# Altium PCB Proyecto_0 - V2.PcbDoc (part 6 of 6)
Units mil, origin at the board's own origin, x right, y up, seen from the top; angles counter-clockwise.
Board outline 2559.06 x 1771.65 mil, 10 copper layers (TOP, GND[1], VDD[1], Signal[1], GND[2], VDD[2], Signal[2], GND[3], VDD[3], BOT), stack 79.883 mil thick; 188 components, 257 nets, 1108 pads, 915 vias.
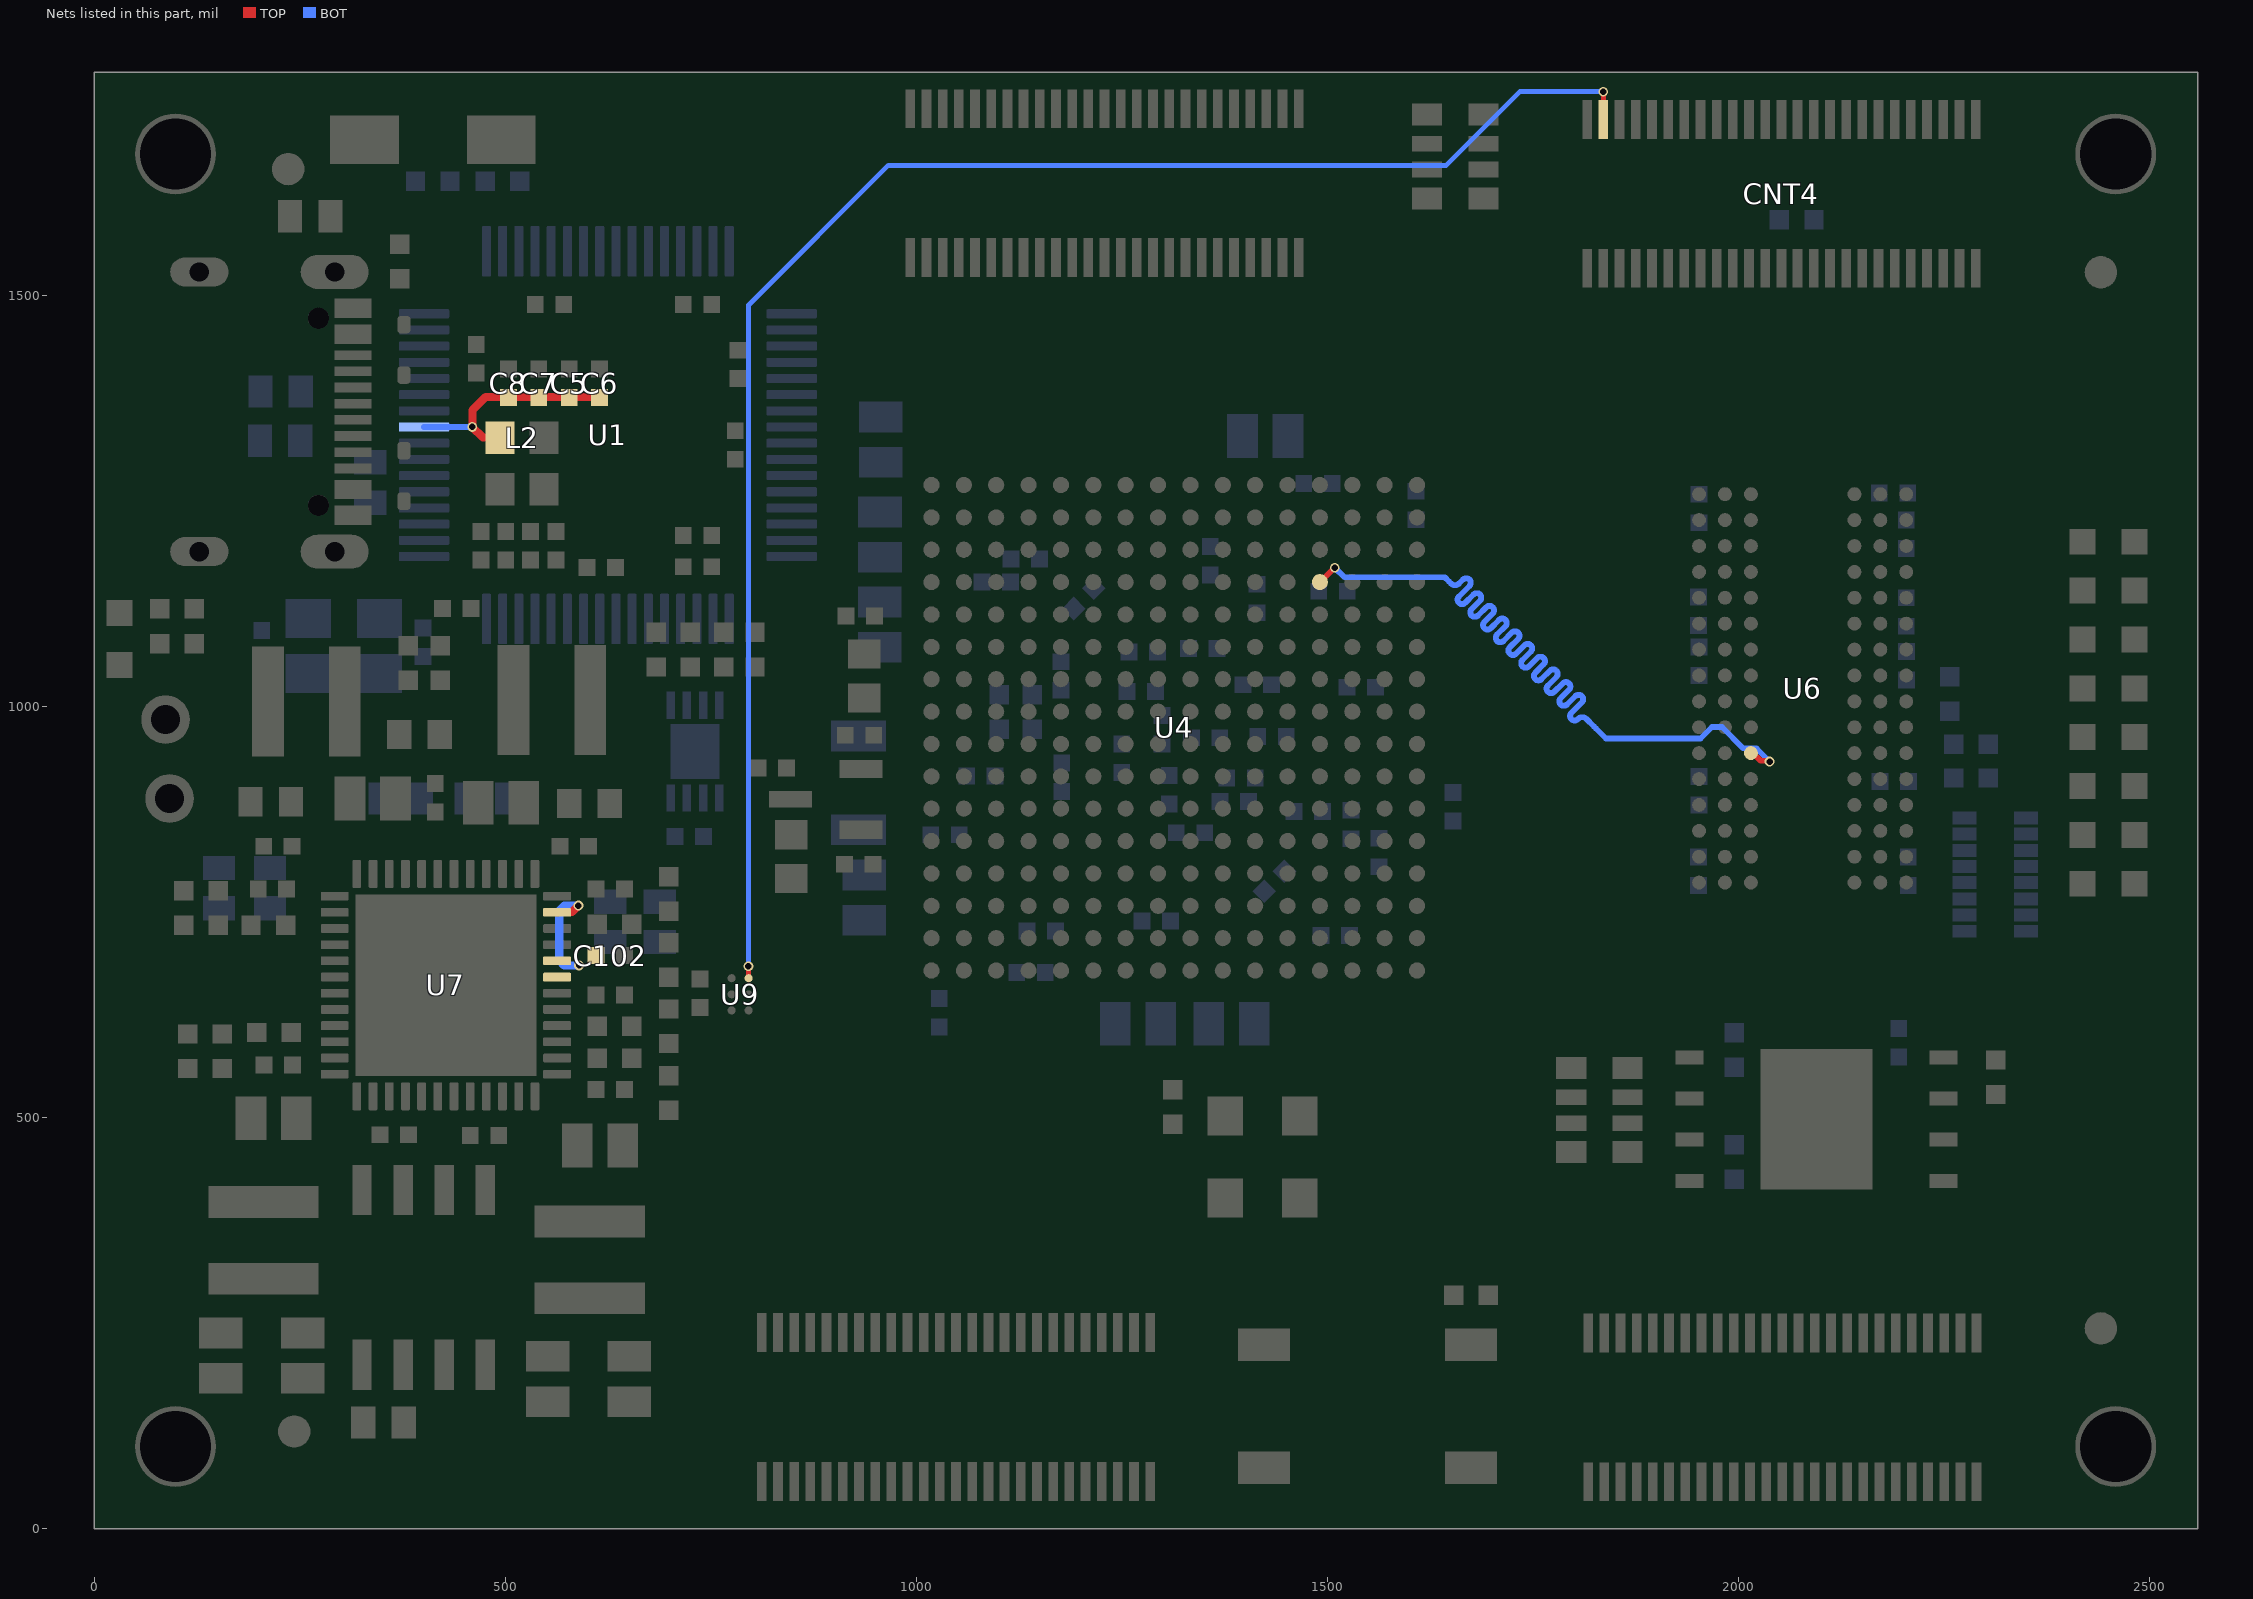
[diagram p14: the nets of this part, all layers, seen from the top]

## Via types
v1: diameter 11.81, hole 7.87, TOP to BOT, 915 vias

## Nets (pads, with @x,y where several pads share a name; then routed paths per layer and width w, separated by ;. In a path a pad name is that pad's centre, name@x,y a point inside that pad or via, vN(x,y) a via of type N, cw(c..) or ccw(c..) an arc to the next point about the centre after c; other vN are vias at no path point) (continued)
VPLL: C5.2 C6.2 C7.2 C8.2 L2.2 U1.9 | length 267.8
  TOP w10: L2.2@494,1327 473,1327 v1(460,1340) 460.35,1340.35 460.35,1360.35 476.35,1376.35 529,1376.35 541,1376.35 566,1376.35 578,1376.35 603,1376.35
  BOT w7: U1.9@401.38,1339.84 459.84,1339.84 v1(460,1340)
VREG: C102.2 U7.43 U7.44 U7.47 | length 142.4
  TOP w10: U7.47@563.24,749.58 563.55,749.9 581.23,749.9 v1(589.19,757.85)
  BOT w10: v1(589.19,757.85) 588.84,757.51 571.86,757.51 566,751.65 566,690.86 571.86,685 v1(590,685)
VSelect: CNT4.27 U9.B3 | length 1995.9
  TOP w6: v1(796,684) 796.11,683.89 796.11,669.56 U9.B3@796.23,669.45 ; CNT4.27@1835.83,1717.87 v1(1835.82,1747.72)
  BOT w6: v1(796,684) 796,1488 966.09,1658.09 1644.51,1658.09 1734.14,1747.72 v1(1835.82,1747.72)
W\E\: U4.D13 U6.L3 | length 1112.4
  TOP w7: U4.D13@1491.05,1151.23 1491.44,1151.23 1508.82,1168.6 v1(1509.21,1168.6) ; U6.L3@2015.22,943.19 2017.9,943.19 2027.18,933.92 2037.08,933.92 v1(2038,933)
  BOT w7: v1(1509.21,1168.6) 1520.81,1157 1643,1157 1648,1152 1650.47,1149.53 ccw(c1655.42,1154.47) 1660.37,1149.52 1665.19,1154.34 cw(c1669.06,1150.48) 1672.93,1154.34 cw(c1669.06,1150.48) 1672.93,1146.61 1660.11,1133.79 ccw(c1663.98,1129.93) 1660.11,1126.06 ccw(c1663.98,1129.93) 1667.84,1126.06 1678,1136.22 cw(c1681.87,1132.35) 1685.74,1136.22 cw(c1681.87,1132.35) 1685.74,1128.49 1675.58,1118.33 ccw(c1679.44,1114.46) 1675.58,1110.59 ccw(c1679.44,1114.46) 1683.31,1110.59 1693.47,1120.75 cw(c1697.34,1116.88) 1701.2,1120.75 cw(c1697.34,1116.88) 1701.2,1113.02 1691.04,1102.86 ccw(c1694.91,1098.99) 1691.04,1095.12 ccw(c1694.91,1098.99) 1698.78,1095.12 1708.96,1105.3 cw(c1712.82,1101.43) 1716.69,1105.3 cw(c1712.82,1101.44) 1716.69,1097.57 1706.51,1087.39 ccw(c1710.38,1083.52) 1706.51,1079.66 ccw(c1710.38,1083.52) 1714.25,1079.66 1724.45,1089.86 cw(c1728.31,1085.99) 1732.18,1089.86 cw(c1728.31,1085.99) 1732.18,1082.13 1721.98,1071.92 ccw(c1725.85,1068.06) 1721.98,1064.19 ccw(c1725.85,1068.06) 1729.71,1064.19 1739.94,1074.41 cw(c1743.8,1070.55) 1747.67,1074.41 cw(c1743.8,1070.55) 1747.67,1066.68 1737.45,1056.46 ccw(c1741.31,1052.59) 1737.45,1048.72 ccw(c1741.31,1052.59) 1745.18,1048.72 1755.42,1058.97 cw(c1759.29,1055.1) 1763.16,1058.97 cw(c1759.29,1055.1) 1763.16,1051.23 1752.91,1040.99 ccw(c1756.78,1037.12) 1752.91,1033.26 ccw(c1756.78,1037.12) 1760.65,1033.26 1770.91,1043.52 cw(c1774.78,1039.65) 1778.65,1043.52 cw(c1774.78,1039.65) 1778.65,1035.79 1768.38,1025.52 ccw(c1772.25,1021.66) 1768.38,1017.79 ccw(c1772.25,1021.66) 1776.11,1017.79 1786.4,1028.07 cw(c1790.26,1024.2) 1794.13,1028.07 cw(c1790.26,1024.2) 1794.13,1020.34 1783.85,1010.06 ccw(c1787.72,1006.19) 1783.85,1002.32 ccw(c1787.72,1006.19) 1791.58,1002.32 1801.88,1012.62 cw(c1805.75,1008.75) 1809.61,1012.62 cw(c1805.75,1008.75) 1809.61,1004.89 1796.94,992.21 ccw(c1800.81,988.34) 1796.94,984.48 ccw(c1800.81,988.34) 1804.67,984.48 1805.15,984.95 cw(c1810.1,980) 1815.05,984.95 1824.35,975.65 1826.82,973.18 1839,961 1954,961 1968,975 1980,975 2006,949 2022,949 v1(2038,933)
pads on no net: CNT1. CNT1.A8 CNT1.B8 R19.4 R19.5 U1.16 U1.18 U1.19 U1.21 U1.22 U1.23 U1.24 U1.26 U1.27 U1.30 U1.32 U1.36 U1.38 U1.39 U1.40 U1.41 U1.43 U1.44 U1.48 U1.52 U1.53 U1.54 U1.55 U1.57 U1.58 U1.59 U1.60 U2.7 U4.A6 U4.B3 U4.B11 U4.D7 U6.J1 U6.J9 U6.L1 U6.L9 U6.M7 U7.20
copper on no net: | length 8759.8
  TOP w3.94: 0,0 2559.06,0 2559.06,44 2559.06,1771.65 157.48,1771.65 118.11,1771.65 0,1771.65 0,1692.91 0,1614.17 0,0
  TOP w6: 2540,1 2540,99.43

## Polygon pours and split planes (outlines as drawn)
NetR37_1 on TOP "NETR37_1_L01_P127" (solid, pour order 127): 686,763 686,700 740,700 740,763
+5V on TOP "+5V_L01_P126" (solid, pour order 126): 486,777 486,855 486,909 448,909 448,856 470,856 470,777
VPLL on TOP "VPLL_L01_P125" (solid, pour order 125): 515,1305 515,1360 630,1360 630,1390 480,1390 455,1365 455,1335 470,1320 470,1305
VPHY on TOP "VPHY_L01_P124" (solid, pour order 124): 575,1225 575,1200 435,1200 435,1246 436,1246 480,1290 515,1290 515,1225
+3V3 on TOP "+3V3_L01_P123" (solid, pour order 123): 2060,1507 2044,1507 2044,1573 1955,1573 1955,1615 2060,1615
+1V25_VREF_ADC on TOP "+1V25_VREF_ADC_L01_P122" (solid, pour order 122): 2084,1740 2084,1625 2143.8,1625 2143.8,1660 2100,1660 2100,1740
AGND on TOP "AGND_L01_P121" (solid, pour order 121): 2080,1740 2080,1625 2020,1625 2020,1660 2064,1660 2064,1740
+5V on TOP "+5V_L01_P120" (solid, pour order 120): 540,1725 540,1655 420,1655 420,1725
+1V25_VREF_ADC on TOP "TOP-+1V25_VREF_ADC" (solid, pour order 106): 910,895 965,895 965,940 870,940 870,960 830,960 830,909 910,909
+3V3 on TOP "TOP-+3V3 1" (solid, pour order 97): 1307,347 1497,347 1497,455 1347,455 1347,513 1290,513 1290,455 1307,455
+3V3 on TOP "+3V3_L01_P102" (solid, pour order 102): 1790,1718 1808,1718 1808,1687 1824,1687 1824,1740 1790,1740
DONE on TOP "DONE_L01_P101" (solid, pour order 101): 140,1058 105,1058 105,1137 155,1137 155,1100 140,1100
GND on TOP "GND_L01_P095" (solid, pour order 95): 1427,473 1495,473 1495,533 1427,533
+1V8 on TOP "+1V8_L01_P094" (solid, pour order 94): 2004.3,1673 2004.3,1740.08 2041.3,1740.08 2041.3,1673
RESET on TOP "TOP-+3V3" (solid, pour order 93): 1376,195 1735,195 1735,308 1675,308 1675,261 1376,261
+3V3 on TOP "+3V3_L01_P100" (solid, pour order 100): 1670,305 1670,266 1605,266 1605,305
BVUS on TOP "TOP-BVUS" (solid, pour order 65): 289,1467 283.24,1461.24 cw(c273,1471.49) 273,1457 cw(c273,1471.49) 262.76,1461.24 257,1467 235,1467 235,1567 257,1567 257,1622 175,1622 175,1251 258,1251 262.76,1255.76 cw(c273,1245.52) 273,1260 cw(c273,1245.52) 283.24,1255.76 288,1251 340,1251 340,1277 260,1277 260,1439 340,1439 340,1467
GND on TOP "GND_L01_P091" (solid, pour order 91): 340,1470 340,1551 245,1551 245,1491 290,1491 290,1470
GND on TOP "GND_L01_P090" (solid, pour order 90): 340,1246 340,1165 245,1165 245,1225 290,1225 290,1246
BVUS_PROTECTED on TOP "TOP-BVUS_PROTECTED" (solid, pour order 89): 400,1655 400,1725 270,1725 270,1570 330,1570 330,1655
VREG on TOP "TOP-VREG" (solid, pour order 13): 585,678 601,678 601,685 630,685 630,712 599,712 599,700 545,700 545,662 585,662
+3V3 on TOP "+3V3_L01_P081" (solid, pour order 81): 720,649 754,649 754,640 785,640 785,610 720,610
AGND on TOP "TOP-AGND" (solid, pour order 58): 880,793 925,793 925,825 889,825 889,900 820,900 820,942 791,942 791,875 816,875 816,821 880,821
+3V3 on TOP "+3V3_L01_P055" (solid, pour order 55): 901,870 901,830 927,830 927,793 966,793 966,870
NetC85_2 on TOP "TOP-NetC85_2" (solid, pour order 26): 410,346 685,346 685,423 504,423 504,544 470,544 470,505 479,505 479,444 411,444 410,445
NetC89_2 on TOP "TOP-NetC89_2" (solid, pour order 24): 110,375 392,375 392,450 366,450 366,543 333,543 333,450 110,450
+5V on TOP "TOP-+5V" (solid, pour order 2): 218.56,468 280.56,468 280.56,498.69 280.87,499 327,499 327,543 311,543 311,580 274,580 274,543 218.56,543
+1V8' on TOP "+1V8'_L01_P080" (solid, pour order 80): 403,1050 438,1050 438,942 403,942
GND on TOP "GND_L01_P079" (solid, pour order 79): 876,815 876,765 805,765 805,815
GND on TOP "GND_L01_P075" (solid, pour order 75): 1373,131 1373,33 1723,33 1723,131
+3V3 on TOP "+3V3_L01_P059" (solid, pour order 59): 2339,595 2230,595 2230,555 2339,555
QSPI_DATA3 on TOP "QSPI_DATA3_L01_P060" (solid, pour order 60): 2339,545.79 2230,545.79 2230,505.79 2339,505.79
GND on TOP "TOP-GND 1" (solid, pour order 40): 633,593 680,593 680,618 718,618 718,655 750,655 750,684 713,684 682,684 682,712 633,712
+1V8_VCC_ADC on TOP "+1V8_VCC_ADC_L01_P050" (solid, pour order 50): 961,952 961,1030 895,1030 895,990 937,990 937,952
+1V8' on TOP "+1V8'_L01_P049" (solid, pour order 49): 961,1121 961,1044 895,1044 895,1083 936,1083 936,1121
+1V8 on TOP "+1V8_L01_P045" (solid, pour order 45): 583.29,1076 583.29,939 610,939 610,863 666,863 666,1076
+1V35 on TOP "+1V35_L01_P038" (solid, pour order 38): 235,1080 235,937 206,937 206,865 144,865 144,1080
GND on TOP "GND_L01_P036" (solid, pour order 36): 621,498 668,498 668,487 716,487 716,434 621,434
GND on TOP "GND_L01_P033" (solid, pour order 33): 690,175 690,125 407,125 407,235 450,235 450,160 509,160 509,175
GND on TOP "TOP-GND" (solid, pour order 31): 285,156.21 285,108 345.02,108 345.02,158 345,158 345,235 310,235 310,206 287,206 121,206 121,156.21
+5V on TOP "+5V_L01_P020" (solid, pour order 20): 510,544 510,500 510,435 610,435 610,499 546,499 545,500 545,544
NetR4_1 on TOP "NETR4_1_L01_P047" (solid, pour order 47): 753,1060 817,1060 817,1035 753,1035
+3V3 on TOP "+3V3_L01_P037" (solid, pour order 37): 681,525 735,525 735,492 681,492
+3V3 on TOP "+3V3_L01_P032" (solid, pour order 32): 684,188 519,188 519,302 684,302
+1V on TOP "+1V_L01_P021" (solid, pour order 21): 286,215 121,215 121,329 286,329
GND on TOP "GND_L01_P003" (solid, pour order 3): 325,700 325,641 270,641 270,699 270,700
+3V3 on BOT "+3V3_L10_P103" (solid, pour order 103): 2067.36,1609.82 1960,1609.82 1960,1573 2067.36,1573
GND on BOT "GND_L10_P116" (solid, pour order 116): 319,1000 370,1000 400,1000 401,1001 401,1045 415,1045 415,1075 319,1075
GND on BOT "GND_L10_P115" (solid, pour order 115): 191,1136.93 290,1136.93 290,1076.93 191,1076.93
no net on BOT "NONET_L10_P114" (solid, pour order 114): 191,1070 290,1070 290,1010 191,1010
12MHz_XTAL_P on BOT "12MHZ_XTAL_P_L10_P113" (solid, pour order 113): 191,1070 290,1070 290,1010 191,1010
+3V3 on BOT "+3V3_L10_P107" (solid, pour order 107): 1003,1055 989,1055 989,1050 925,1050 925,1095 989,1095 989,1072 1003,1072
GND on BOT "GND_L10_P086" (solid, pour order 86): 1420,1361 1420,1297 1358,1297 1358,1344 1375,1361
GND on BOT "GND_L10_P111" (solid, pour order 111): 985,1317.56 928,1317.56 928,1215 985,1215 985,1273.56
+1V on BOT "+1V_L10_P112" (solid, pour order 112): 985,1331.56 928,1331.56 928,1387.56 948,1387.56 948,1375.56 985,1375.56
+1V8 on BOT "+1V8_L10_P109" (solid, pour order 109): 928,1161 989,1161 989,1185 1003,1185 1003,1201 928,1201
GND on BOT "GND_L10_P108" (solid, pour order 108): 910,1127 929,1127 929,1106 984,1106 984,1148 910,1148
GND on BOT "GND_L10_P099" (solid, pour order 99): 1379,570 1345,570 1345,585 1330,585 1330,645 1379,645
GND on BOT "GND_L10_P098" (solid, pour order 98): 1275,645 1275,570 1310,570 1310,581 1321,581 1321,645
GND on BOT "GND_L10_P077" (solid, pour order 77): 904,702.41 937,702.41 937,718 970.44,718 970.44,760 904,760
+1V35 on BOT "+1V35_L10_P087" (solid, pour order 87): 1429.5,1300 1476.5,1300 1476.5,1335.5 1506,1335.5 1506,1360 1429.5,1360
GND on BOT "GND_L10_P085" (solid, pour order 85): 2285,931 2285,880 2320,880 2320,931
+1V35 on BOT "+1V35_L10_P084" (solid, pour order 84): 2285,985 2320,985 2320,935 2285,935
0V75 on BOT "0V75_L10_P083" (solid, pour order 83): 2244,972 2280,972 2280,895 2244,895
+1V on BOT "+1V_L10_P082" (solid, pour order 82): 650,731 650,693 635,693 635,670 600,670 600,730 599,731
+3V3/+1V8 on BOT "+3V3/+1V8_L10_P078" (solid, pour order 78): 904,818 985,818 985,769.5 904,769.5
NetR8_1 on BOT "NETR8_1_L10_P068" (solid, pour order 68): 415,1655 495,1655 495,1620 415,1620
+3V3 on BOT "+3V3_L10_P062" (solid, pour order 62): 2018,396 2018,439 1967,439 1967,396
+3V3 on BOT "+3V3_L10_P061" (solid, pour order 61): 1972,631.5 1972,588.5 2026,588.5 2026,631.5
BVUS_PROTECTED on BOT "BVUS_PROTECTED_L10_P067" (solid, pour order 67): 407,1621 370,1621 370,1721 407,1721
GND on BOT "GND_L10_P056" (solid, pour order 56): 890,825 890,890 970,890 970,825
Enable_CH4 on BOT "ENABLE_CH4_L10_P046" (solid, pour order 46): 131,770 235,770 235,739 131,739
Enable_CH3 on BOT "ENABLE_CH3_L10_P043" (solid, pour order 43): 607,778 709,778 709,747 607,747
Enable_CH1y5 on BOT "ENABLE_CH1Y5_L10_P042" (solid, pour order 42): 380,910 473,910 473,865 380,865
GND on BOT "GND_L10_P041" (solid, pour order 41): 486,913 565,913 565,850 535,850 535,866 486,866
+5V on VDD[2] (split plane): 2538.96,20.1 20.1,20.1 20.1,1614.17 20.1,1751.56 2538.96,1751.56
+1V25_VREF_ADC on VDD[2] (split plane): 2144.94,875.06 1298,875.06 1296.83,874.83 1295.84,874.16 1295.17,873.17 1294.94,872 1294.94,754.06 827.06,754.06 827.06,923.94 1027.94,923.94 1027.94,873.06 898.06,873.06 898.06,905 897.83,906.17 897.16,907.16 896.17,907.83 895,908.06 860,908.06 858.83,907.83 857.84,907.16 857.17,906.17 856.94,905 856.94,790 857.17,788.83 857.84,787.84 858.83,787.17 860,786.94 1264,786.94 1265.17,787.17 1266.16,787.84 1266.83,788.83 1267.06,790 1267.06,951.94 2079,951.94 2080.17,952.17 2081.16,952.84 2081.83,953.83 2082.06,955 2082.06,1650 2082.06,1663 2082.06,1692.94 2144.94,1692.94
AGND on VDD[2] (split plane): 2075.94,1650 2075.94,958.06 1264,958.06 1262.83,957.83 1261.84,957.16 1261.17,956.17 1260.94,955 1260.94,793.06 863.06,793.06 863.06,901.94 891.94,901.94 891.94,870 892.17,868.83 892.84,867.84 893.83,867.17 895,866.94 1215,866.94 1216.17,867.17 1217.16,867.84 1217.83,868.83 1218.06,870 1218.06,1061.94 2010,1061.94 2011.17,1062.17 2012.16,1062.84 2012.83,1063.83 2013.06,1065 2013.06,1659.94 2075.94,1659.94
GND on GND[2] (split plane): 2538.96,20.1 20.1,20.1 20.1,1614.17 20.1,1751.56 2538.96,1751.56
GND on GND[1] (split plane): 2538.96,20.1 20.1,20.1 20.1,1614.17 20.1,1751.56 2538.96,1751.56
+3V3 on VDD[1] (split plane): 2538.96,20.1 20.1,20.1 20.1,1614.17 20.1,1751.56 2538.96,1751.56
+1V8' on VDD[1] (split plane): 921.94,1049.06 821,1049.06 819.83,1048.83 818.84,1048.16 818.17,1047.17 817.94,1046 817.94,981.06 400.06,981.06 400.06,1035.94 777,1035.94 778.17,1036.17 779.16,1036.84 779.83,1037.83 780.06,1039 780.06,1084.94 796.73,1084.94 804.84,1076.84 805.83,1076.17 807,1075.94 879,1075.94 880.17,1076.17 881.16,1076.84 889.27,1084.94 921.94,1084.94
+3V3/+1V8 on VDD[1] (split plane): 1131.94,721 1131.94,609.06 793.06,609.06 793.06,649.73 974.27,830.94 1032,830.94 1033.17,831.17 1034.16,831.84 1066.27,863.94 1131.94,863.94
VCORE on VDD[1] (split plane): 491.94,1220 492.17,1218.83 492.84,1217.84 493.83,1217.17 495,1216.94 736,1216.94 737.17,1217.17 738.16,1217.84 738.83,1218.83 739.06,1220 739.06,1245 739.06,1413.94 819.94,1413.94 819.94,1325.06 793,1325.06 791.83,1324.83 790.84,1324.16 790.17,1323.17 789.94,1322 789.94,1288 790.17,1286.83 790.84,1285.84 791.83,1285.17 793,1284.94 818.94,1284.94 818.94,1172.06 585,1172.06 583.83,1171.83 582.84,1171.16 582.17,1170.17 581.94,1169 581.94,1126.06 406.06,1126.06 406.06,1432.94 491.94,1432.94
+1V8_VCC_ADC on VDD[1] (split plane): 1314.94,981.06 824.06,981.06 824.06,1042.94 1017,1042.94 1018.17,1043.17 1019.16,1043.84 1019.83,1044.83 1020.06,1046 1020.06,1084.94 1314.94,1084.94
GND on GND[3] (split plane): 2538.96,20.1 20.1,20.1 20.1,1614.17 20.1,1751.56 2538.96,1751.56
+1V35 on VDD[3] (split plane): 2538.96,20.1 20.1,20.1 20.1,207.94 348,207.94 349.17,208.17 350.16,208.84 350.83,209.83 351.06,211 351.06,496.94 1017,496.94 1018.17,497.17 1019.16,497.84 1019.83,498.83 1020.06,500 1020.06,830.94 1455,830.94 1456.17,831.17 1457.16,831.84 1457.83,832.83 1458.06,834 1458.06,939 1458.06,948.94 1485,948.94 1486.17,949.17 1487.16,949.84 1487.83,950.83 1488.06,952 1488.06,1150.94 1901,1150.94 1902.17,1151.17 1903.16,1151.84 1903.83,1152.83 1904.06,1154 1904.06,1635.94 2027,1635.94 2028.17,1636.17 2029.16,1636.84 2029.83,1637.83 2030.06,1639 2030.06,1658 2030.06,1700 2029.83,1701.17 2029.16,1702.16 2028.17,1702.83 2027,1703.06 1826,1703.06 1824.83,1702.83 1823.84,1702.16 1823.17,1701.17 1822.94,1700 1822.94,1194.06 1354.06,1194.06 1354.06,1434 1353.83,1435.17 1353.16,1436.16 1352.17,1436.83 1351,1437.06 869,1437.06 867.83,1436.83 866.84,1436.16 866.17,1435.17 865.94,1434 865.94,1121.06 610,1121.06 608.83,1120.83 607.84,1120.16 607.17,1119.17 606.94,1118 606.94,858.06 20.1,858.06 20.1,1614.17 20.1,1751.56 2538.96,1751.56
+1V on VDD[3] (split plane): 969.94,1153 970.17,1151.83 970.84,1150.84 971.83,1150.17 973,1149.94 1442.94,1149.94 1442.94,1075.06 1371,1075.06 1369.83,1074.83 1368.84,1074.16 1368.17,1073.17 1367.94,1072 1367.94,1030 1368.17,1028.83 1368.84,1027.84 1369.83,1027.17 1371,1026.94 1442.94,1026.94 1442.94,974.06 1368,974.06 1366.83,973.83 1365.84,973.16 1365.17,972.17 1364.94,971 1364.94,837.06 1017,837.06 1015.83,836.83 1014.84,836.16 1014.17,835.17 1013.94,834 1013.94,503.06 348,503.06 346.83,502.83 345.84,502.16 345.17,501.17 344.94,500 344.94,214.06 20.1,214.06 20.1,618.94 566,618.94 567.17,619.17 568.16,619.84 568.83,620.83 569.06,622 569.06,710.94 690.94,710.94 690.94,624 691.04,623.5 690.94,623 691.17,621.83 691.84,620.84 692.83,620.17 694,619.94 916,619.94 917.17,620.17 918.16,620.84 918.83,621.83 919.06,623 919.06,1404.94 969.94,1404.94
+1V8 on VDD[3] (split plane): 2023.94,1658 2023.94,1655 2023.94,1642.06 1901,1642.06 1899.83,1641.83 1898.84,1641.16 1898.17,1640.17 1897.94,1639 1897.94,1157.06 1485,1157.06 1483.83,1156.83 1482.84,1156.16 1482.17,1155.17 1481.94,1154 1481.94,955.06 1455,955.06 1453.83,954.83 1452.84,954.16 1452.17,953.17 1451.94,952 1452.04,951.5 1451.94,951 1451.94,939 1451.94,837.06 1371.06,837.06 1371.06,967.94 1446,967.94 1447.17,968.17 1448.16,968.84 1448.83,969.83 1449.06,971 1449.06,1030 1448.83,1031.17 1448.16,1032.16 1447.17,1032.83 1446,1033.06 1445.5,1032.96 1445,1033.06 1374.06,1033.06 1374.06,1068.94 1446,1068.94 1447.17,1069.17 1448.16,1069.84 1448.83,1070.83 1449.06,1072 1449.06,1153 1448.83,1154.17 1448.16,1155.16 1447.17,1155.83 1446,1156.06 976.06,1156.06 976.06,1408 975.83,1409.17 975.16,1410.16 974.17,1410.83 973,1411.06 916,1411.06 914.83,1410.83 913.84,1410.16 913.17,1409.17 912.94,1408 912.94,626.06 697.06,626.06 697.06,714 696.83,715.17 696.16,716.16 695.17,716.83 694,717.06 566,717.06 564.83,716.83 563.84,716.16 563.17,715.17 562.94,714 562.94,625.06 20.1,625.06 20.1,851.94 610,851.94 611.17,852.17 612.16,852.84 612.83,853.83 613.06,855 613.06,1114.94 869,1114.94 870.17,1115.17 871.16,1115.84 871.83,1116.83 872.06,1118 872.06,1430.94 1347.94,1430.94 1347.94,1191 1348.17,1189.83 1348.84,1188.84 1349.83,1188.17 1351,1187.94 1826,1187.94 1827.17,1188.17 1828.16,1188.84 1828.83,1189.83 1829.06,1191 1829.06,1696.94 2023.94,1696.94

## Other copper
TOP:
  rectangle net GND: 148,470.66 212.17,527.66
  rectangle net GND: 223.61,856.66 313.61,913.66
  rectangle net GND: 503,854 593,911
VDD[2] (plane layer: these items are gaps in the copper):
  lines w6: 1031,870 1031,927 824,927 824,751 1298,751 1298,872 2148,872 2148,1696 2079,1696 2079,1663 ; 2079,1663 2079,1650 2079,955 1264,955 1264,790 1027,790 860,790 860,905 895,905 895,870 1215,870 1215,1065 2010,1065 2010,1663 2079,1663
VDD[1] (plane layer: these items are gaps in the copper):
  lines w2: 884,1045 922,1045 ; 925,1088 925,1089
  lines w6: 820,978 1318,978 1318,1088 1017,1088 1017,1046 821,1046 821,978 397,978 397,1039 777,1039 777,1088 798,1088 807,1079 879,1079 888,1088 925,1088 925,1046 ; 403,1123 403,1436 495,1436 495,1220 736,1220 736,1245 736,1417 823,1417 823,1322 793,1322 793,1288 822,1288 822,1169 585,1169 585,1123 403,1123 ; 790,606 790,651 973,834 1032,834 1065,867 1097,867 1135,867 1135,721 1135,606 790,606
VDD[3] (plane layer: these items are gaps in the copper):
  lines w6: 1,211 106,211 348,211 348,500 1017,500 1017,834 1368,834 ; 2,622 566,622 566,714 694,714 694,624 ; 2,855 610,855 610,1118 869,1118 869,1434 1351,1434 1351,1191 1826,1191 1826,1700 2027,1700 2027,1655 ; 694,623 916,623 916,1408 973,1408 973,1153 1446,1153 1446,1072 1371,1072 1371,1030 1445,1030 ; 1446,1030 1446,971 1368,971 1368,834 ; 1455,951 1455,939 1455,834 1368,834 ; 1455,952 1485,952 1485,1154 1901,1154 1901,1639 2027,1639 2027,1658

## Silkscreen, mask and mechanical layers (free items; w line width, h text height)
Top Overlay:
  lines w6: 2525,1235 2526,320
Mechanical 13:
  drawing of 743 lines, arcs and shapes, not listed
  text "Layer" at 3768.67,3117 h31.5
  text "Name" at 3993.35,3117 h31.5
  text "Material" at 4490.9,3117 h31.5
  text "Thickness" at 4951.73,3117 h31.5
  text "Constant" at 5302.35,3117 h31.5
  text "Board Layer Stack" at 5610.99,3117 h31.5
  text "Top Overlay" at 3993.35,3054.01 h31.5
  text "Top Solder" at 3993.35,2991.02 h31.5
  text "Solder Resist" at 4490.9,2991.02 h31.5
  text "0,40mil" at 4951.73,2991.02 h31.5
  text "3.5" at 5302.35,2991.02 h31.5
  text "1" at 3768.67,2928.02 h31.5
  text "TOP" at 3993.35,2928.02 h31.5
  text "0,69mil" at 4951.73,2928.02 h31.5
  text "Dielectric 2" at 3993.35,2865.03 h31.5
  text "PP-015" at 4490.9,2865.03 h31.5
  text "4,06mil" at 4951.73,2865.03 h31.5
  text "4.45" at 5302.35,2865.03 h31.5
  text "2" at 3768.67,2802.04 h31.5
  text "GND[1]" at 3993.35,2802.04 h31.5
  text "1,38mil" at 4951.73,2802.04 h31.5
  text "Dielectric 3" at 3993.35,2739.05 h31.5
  text "PP-006" at 4490.9,2739.05 h31.5
  text "9,06mil" at 4951.73,2739.05 h31.5
  text "4.6" at 5302.35,2739.05 h31.5
  text "3" at 3768.67,2676.06 h31.5
  text "VDD[1]" at 3993.35,2676.06 h31.5
  text "1,38mil" at 4951.73,2676.06 h31.5
  text "Dielectric 4" at 3993.35,2613.06 h31.5
  text "PP-023" at 4490.9,2613.06 h31.5
  text "7,72mil" at 4951.73,2613.06 h31.5
  text "4.74" at 5302.35,2613.06 h31.5
  text "4" at 3768.67,2550.07 h31.5
  text "Signal[1]" at 3993.35,2550.07 h31.5
  text "1,38mil" at 4951.73,2550.07 h31.5
  text "Dielectric 5" at 3993.35,2487.08 h31.5
  text "PP-006" at 4490.9,2487.08 h31.5
  text "9,06mil" at 4951.73,2487.08 h31.5
  text "4.6" at 5302.35,2487.08 h31.5
  text "5" at 3768.67,2424.09 h31.5
  text "GND[2]" at 3993.35,2424.09 h31.5
  text "1,38mil" at 4951.73,2424.09 h31.5
  text "Dielectric 1" at 3993.35,2361.09 h31.5
  text "PP-023" at 4490.9,2361.09 h31.5
  text "7,72mil" at 4951.73,2361.09 h31.5
  text "4.74" at 5302.35,2361.09 h31.5
  text "6" at 3768.67,2298.1 h31.5
  text "VDD[2]" at 3993.35,2298.1 h31.5
  text "1,38mil" at 4951.73,2298.1 h31.5
  text "Dielectric 6" at 3993.35,2235.11 h31.5
  text "PP-006" at 4490.9,2235.11 h31.5
  text "9,06mil" at 4951.73,2235.11 h31.5
  text "4.6" at 5302.35,2235.11 h31.5
  text "7" at 3768.67,2172.12 h31.5
  text "Signal[2]" at 3993.35,2172.12 h31.5
  text "1,38mil" at 4951.73,2172.12 h31.5
  text "Dielectric 7" at 3993.35,2109.13 h31.5
  text "PP-023" at 4490.9,2109.13 h31.5
  text "7,72mil" at 4951.73,2109.13 h31.5
  text "4.74" at 5302.35,2109.13 h31.5
  text "8" at 3768.67,2046.13 h31.5
  text "GND[3]" at 3993.35,2046.13 h31.5
  text "1,38mil" at 4951.73,2046.13 h31.5
  text "Dielectric 8" at 3993.35,1983.14 h31.5
  text "PP-006" at 4490.9,1983.14 h31.5
  text "9,06mil" at 4951.73,1983.14 h31.5
  text "4.6" at 5302.35,1983.14 h31.5
  text "9" at 3768.67,1920.15 h31.5
  text "VDD[3]" at 3993.35,1920.15 h31.5
  text "1,38mil" at 4951.73,1920.15 h31.5
  text "Dielectric 9" at 3993.35,1857.16 h31.5
  text "PP-015" at 4490.9,1857.16 h31.5
  text "4,06mil" at 4951.73,1857.16 h31.5
  text "4.45" at 5302.35,1857.16 h31.5
  text "10" at 3768.67,1794.17 h31.5
  text "BOT" at 3993.35,1794.17 h31.5
  text "0,69mil" at 4951.73,1794.17 h31.5
  text "Bottom Solder" at 3993.35,1731.17 h31.5
  text "Solder Resist" at 4490.9,1731.17 h31.5
  text "0,40mil" at 4951.73,1731.17 h31.5
  text "3.5" at 5302.35,1731.17 h31.5
  text "Bottom Overlay" at 3993.35,1668.18 h31.5
Drill Drawing:
  circle w10: c-2348.01,2617.64 r17.5
  lines w10: -2365.51,2215.19 -2356.76,2215.19 -2356.76,2206.44 -2339.26,2206.44 -2339.26,2215.19 -2330.51,2215.19 -2330.51,2232.69 -2339.26,2232.69 -2339.26,2241.44 -2356.76,2241.44 -2356.76,2232.69 -2365.51,2232.69 -2365.51,2215.19 ; -2365.51,2293.93 -2356.76,2293.93 -2348.01,2285.18 -2339.26,2293.93 -2330.51,2293.93 -2339.26,2302.68 -2330.51,2311.43 -2339.26,2311.43 -2348.01,2320.18 -2356.76,2311.43 -2365.51,2311.43 -2356.76,2302.68 -2365.51,2293.93 ; -2365.51,2363.92 -2365.51,2372.67 -2356.76,2381.42 -2365.51,2390.17 -2365.51,2398.92 -2356.76,2398.92 -2348.01,2390.17 -2339.26,2398.92 -2330.51,2398.92 -2330.51,2390.17 -2339.26,2381.42 -2330.51,2372.67 -2330.51,2363.92 -2339.26,2363.92 -2348.01,2372.67 -2356.76,2363.92 -2365.51,2363.92 ; -2365.51,2477.66 -2330.51,2477.66 -2348.01,2442.66 -2365.51,2477.66 ; -2365.51,2521.4 -2330.51,2521.4 -2330.51,2556.4 -2365.51,2556.4 -2365.51,2521.4
  lines w15: -2398.38,2182.82 4751.38,2182.82 ; -2398.38,2655.26 4751.38,2655.26 ; -2094.01,2104.08 -2094.01,2734 ; -1769.63,2104.08 -1769.63,2734 ; -1172.37,2104.08 -1172.37,2734 ; -891.62,2104.08 -891.62,2734 ; -491.22,2104.08 -491.22,2734 ; 148.48,2104.08 148.48,2734 ; 473.31,2104.08 473.31,2734 ; 880.01,2104.08 880.01,2734 ; 1514,2104.08 1514,2734 ; 1977.37,2104.08 1977.37,2734 ; 2692.63,2104.08 2692.63,2734 ; 3407.89,2104.08 3407.89,2734 ; 3999.9,2104.08 3999.9,2734 ; -2398.38,2104.08 4751.38,2104.08 4751.38,2734 -2398.38,2734 -2398.38,2104.08
  text "Symbol" at -2351.14,2678.88 h37.8
  text "Count" at -2070.38,2678.88 h37.8
  text "Hole Size" at -1746,2678.88 h37.8
  text "Plated" at -1148.75,2678.88 h37.8
  text "Hole Type" at -867.99,2678.88 h37.8
  text "Drill Layer Pair" at -467.59,2678.88 h37.8
  text "Via/Pad" at 172.1,2678.88 h37.8
  text "Pad Shape" at 496.93,2678.88 h37.8
  text "Template" at 903.63,2678.88 h37.8
  text "Description" at 1537.62,2678.88 h37.8
  text "Hole Tolerance (+)" at 2000.99,2678.88 h37.8
  text "Hole Tolerance (-)" at 2716.25,2678.88 h37.8
  text "Hole Length" at 3431.51,2678.88 h37.8
  text "Routed Path Length" at 4023.52,2678.88 h37.8
  text "2" at -2070.38,2600.14 h31.5
  text "23,62mil (0,600mm)" at -1746,2600.14 h31.5
  text "PTH" at -1148.75,2600.14 h31.5
  text "Slot" at -867.99,2600.14 h31.5
  text "TOP - BOT" at -467.59,2600.14 h31.5
  text "Pad" at 172.1,2600.14 h31.5
  text "Rounded" at 496.93,2600.14 h31.5
  text "r180_90h60_140r100" at 903.63,2600.14 h31.5
  text "55,12mil (1,400mm)" at 3431.51,2600.14 h31.5
  text "31,50mil (0,800mm)" at 4023.52,2600.14 h31.5
  text "2" at -2070.38,2521.4 h31.5
  text "23,62mil (0,600mm)" at -1746,2521.4 h31.5
  text "PTH" at -1148.75,2521.4 h31.5
  text "Slot" at -867.99,2521.4 h31.5
  text "TOP - BOT" at -467.59,2521.4 h31.5
  text "Pad" at 172.1,2521.4 h31.5
  text "Rounded" at 496.93,2521.4 h31.5
  text "r210_105h60_170r100" at 903.63,2521.4 h31.5
  text "66,93mil (1,700mm)" at 3431.51,2521.4 h31.5
  text "43,31mil (1,100mm)" at 4023.52,2521.4 h31.5
  text "2" at -2070.38,2442.66 h31.5
  text "25,59mil (0,650mm)" at -1746,2442.66 h31.5
  text "NPTH" at -1148.75,2442.66 h31.5
  text "Round" at -867.99,2442.66 h31.5
  text "TOP - BOT" at -467.59,2442.66 h31.5
  text "Pad" at 172.1,2442.66 h31.5
  text "Rounded" at 496.93,2442.66 h31.5
  text "c65hn65" at 903.63,2442.66 h31.5
  text "-" at 3431.51,2442.66 h31.5
  text "-" at 4023.52,2442.66 h31.5
  text "2" at -2070.38,2363.92 h31.5
  text "35,43mil (0,900mm)" at -1746,2363.92 h31.5
  text "PTH" at -1148.75,2363.92 h31.5
  text "Round" at -867.99,2363.92 h31.5
  text "TOP - BOT" at -467.59,2363.92 h31.5
  text "Pad" at 172.1,2363.92 h31.5
  text "Rounded" at 496.93,2363.92 h31.5
  text "c150h90m150" at 903.63,2363.92 h31.5
  text "-" at 3431.51,2363.92 h31.5
  text "-" at 4023.52,2363.92 h31.5
  text "4" at -2070.38,2285.18 h31.5
  text "86,61mil (2,200mm)" at -1746,2285.18 h31.5
  text "PTH" at -1148.75,2285.18 h31.5
  text "Round" at -867.99,2285.18 h31.5
  text "TOP - BOT" at -467.59,2285.18 h31.5
  text "Pad" at 172.1,2285.18 h31.5
  text "Rounded" at 496.93,2285.18 h31.5
  text "c250h220m250" at 903.63,2285.18 h31.5
  text "-" at 3431.51,2285.18 h31.5
  text "-" at 4023.52,2285.18 h31.5
  text "915" at -2070.38,2206.44 h31.5
  text "7,87mil (0,200mm)" at -1746,2206.44 h31.5
  text "PTH" at -1148.75,2206.44 h31.5
  text "Round" at -867.99,2206.44 h31.5
  text "TOP - BOT" at -467.59,2206.44 h31.5
  text "Via" at 172.1,2206.44 h31.5
  text "Rounded" at 496.93,2206.44 h31.5
  text "(Mixed)" at 903.63,2206.44 h31.5
  text "-" at 3431.51,2206.44 h31.5
  text "-" at 4023.52,2206.44 h31.5
  text "927 Total" at -2070.38,2127.7 h31.5
  text "Slot definitions :" at -2351.14,2042.1 h31.5
  text "Routed Path Length" at -1795.74,2042.1 h31.5
  text "= Calculated from tool start centre position to tool end centre position." at -1203.61,2042.1 h31.5
  text "Hole Length" at -1795.74,1980.12 h31.5
  text "= Routed Path Length + Tool Size = Slot length as defined in the PCB layout" at -1418.76,1980.12 h31.5